# Altium PCB armslave.PcbDoc
Units mil, origin at the board's own origin, x right, y up, seen from the top; angles counter-clockwise.
Board outline 5065 x 3740.16 mil, 2 copper layers (Top Layer, Bottom Layer); 74 components, 82 nets, 324 pads, 29 vias.
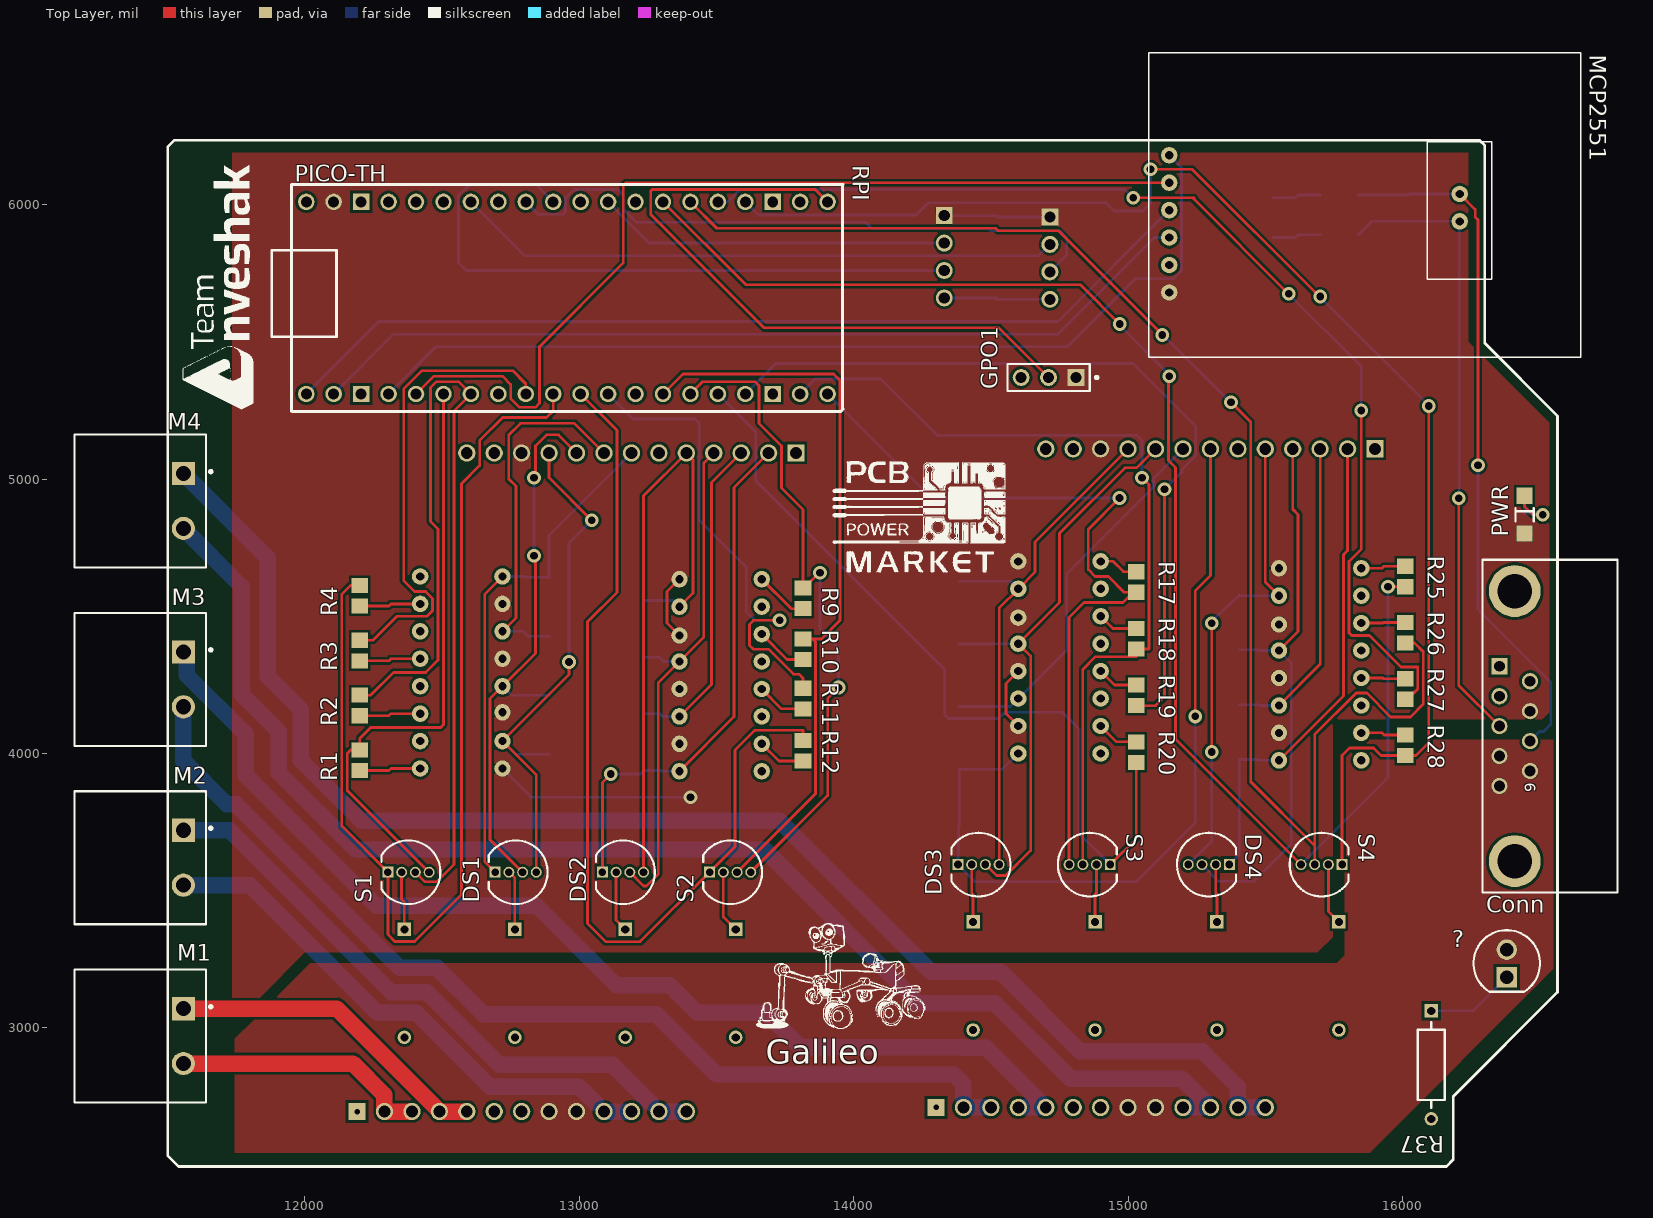
[diagram p0: Top Layer view]
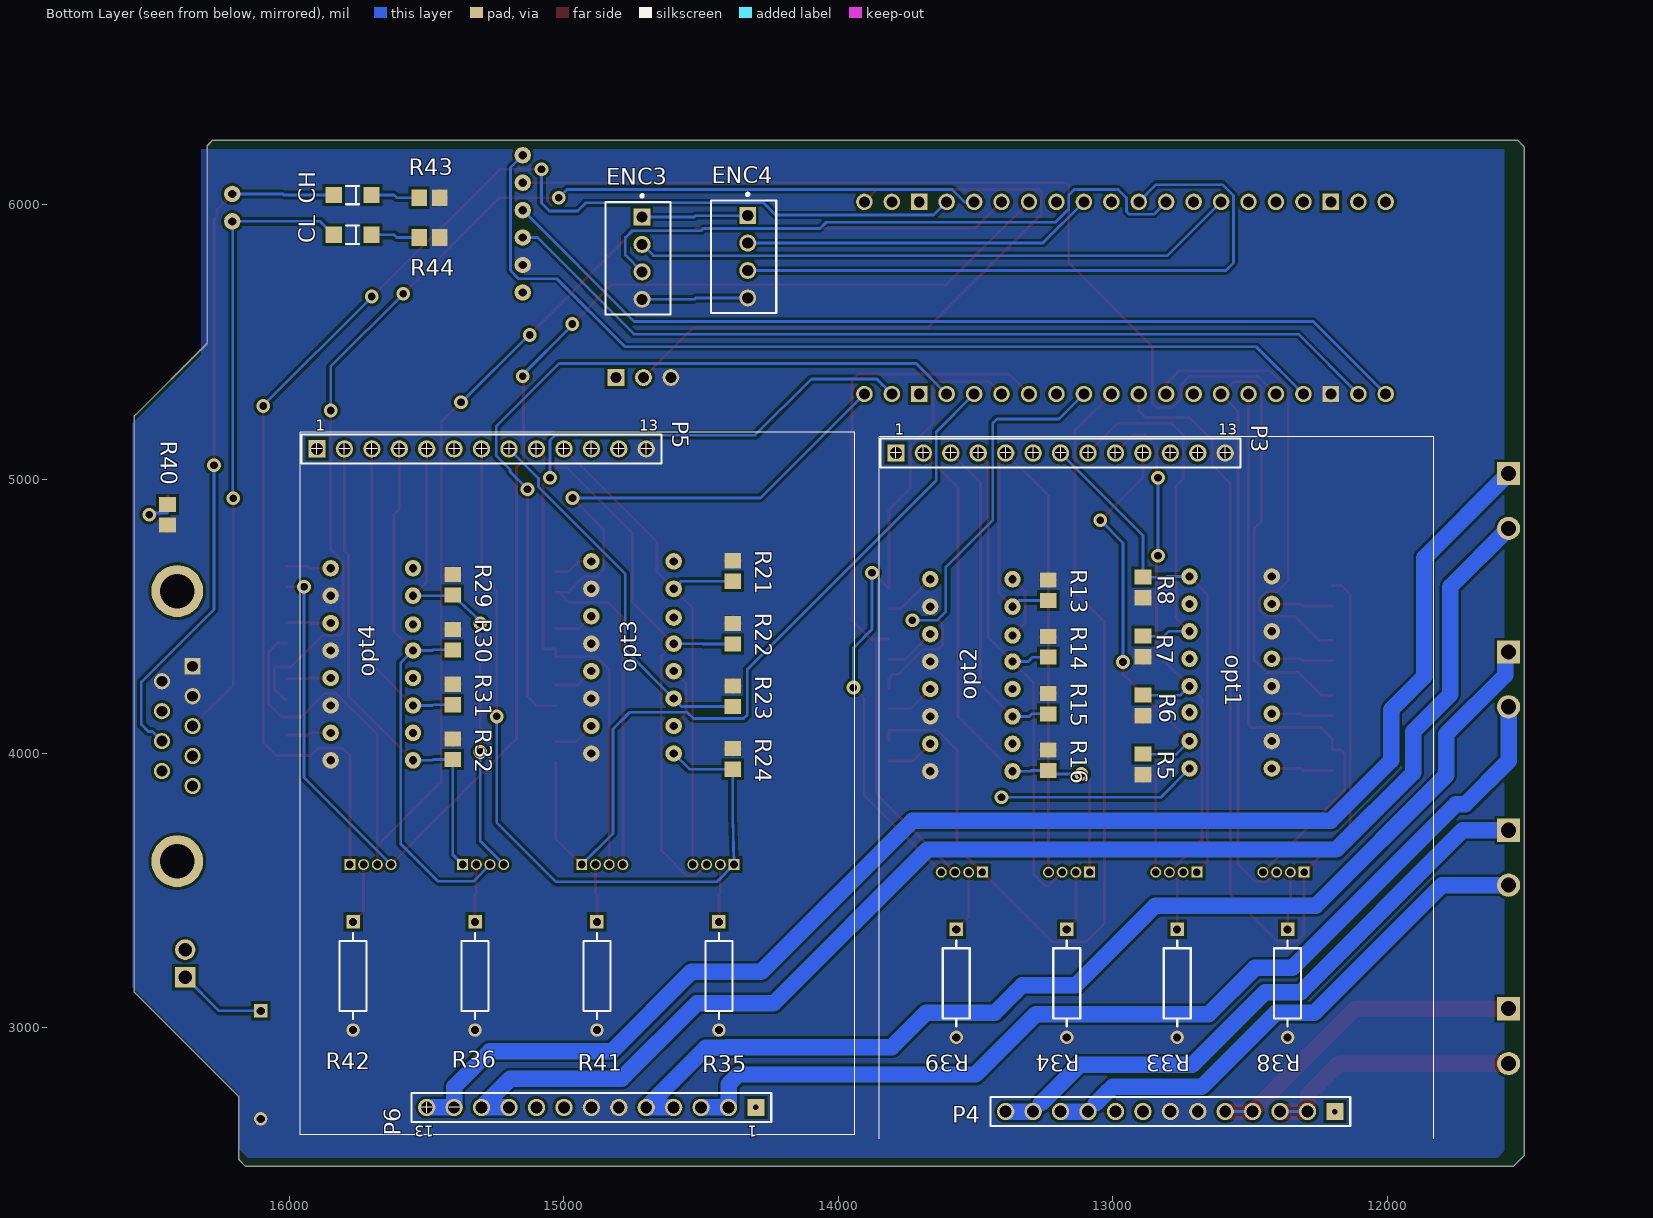
[diagram p1: Bottom Layer view, seen from below]

## Layer stack, top to bottom
Top Solder: solder mask 0.4, Solder Resist, Dk 3.5
Top Layer: signal copper 1.4
Dielectric 1: dielectric 12.6, FR-4, Dk 4.8
Bottom Layer: signal copper 1.4
Bottom Solder: solder mask 0.4, Solder Resist, Dk 3.5

## Board outline
11540,2495 11500,2535 11500,6210 11525.16,6235.16 16279.84,6235.16 16300,6215 16300,5495 16565,5230 16565,3130 16185,2750 16185,2520 16160,2495

## Design rules (kind name [scope] priority, off if disabled: settings)
Clearance [All] p1: gap=10 ignorepadtopadclearanceinfootprint=FALSE except(0: Arc-Hole Track-Hole SMDPad-Hole THPad-Hole Via-Hole Fill-Hole Poly-Hole Region-Hole Text-Hole)
PolygonConnect [All] p1: connectstyle=Relief reliefconductorwidth=10 reliefentries=4 polygonreliefangle="90 Angle" airgapwidth=0
RoutingVias [All] p1: holewidth=28 width=50 viastyle="Through Hole" minholewidth=28 minwidth=50 maxholewidth=28 maxwidth=50
SMDNeckDown [All] p1: percent=50.000
SolderMaskExpansion [All] p1: expansion=4 istentingtop=FALSE
Width [All] p1: maxlimit=60 minlimit=10 preferedwidth=20
30 further rules are at their usual default settings.

## Components (designator, comment, footprint, x,y, rotation, side; value= is the part's Value field where it differs from the comment)
? "SSL-LX5093YD" FP-SSL-LX5093YD-MFG 16380,3235 r90 top
CH "HSMG-C150" FP-HSMG-C150-MFG 15770,6035 r0 bottom
CL "HSMG-C150" FP-HSMG-C150-MFG 15770,5890 r0 bottom
Conn "618009231121" 618009231121 16537.05,4099.53 r90 top
DS1 "WP154A4SUREQBFZGC" KING-WP154A4SUREQBFZGC_V 12768.33,3567.19 r90 top
DS2 "WP154A4SUREQBFZGC" KING-WP154A4SUREQBFZGC_V 13159.17,3567.19 r90 top
DS3 "WP154A4SUREQBFZGC" KING-WP154A4SUREQBFZGC_V 14455,3595 r90 top
DS4 "WP154A4SUREQBFZGC" KING-WP154A4SUREQBFZGC_V 15294.24,3595 r270 top
ENC3 "47053-3000" FP-47053-3000-MFG 14730,5805 r90 bottom
ENC4 "47053-3000" FP-47053-3000-MFG 14345,5810 r90 bottom
GPO1 "22-28-4033" MOLX-22-28-4033_V 14710,5370 r180 top
M1 "1757242" FP-1757242-MFG 11400,2970 r270 top
M2 "1757242" FP-1757242-MFG 11400,3620 r270 top
M3 "1757242" FP-1757242-MFG 11400,4270 r270 top
M4 "1757242" FP-1757242-MFG 11400,4920 r270 top
MCP2551 "Component_1" mcp2551 15074.5,5443.8 r0 top
opt1 "Component_1" PCBComponent_1 12420,4645 r0 bottom
opt2 "Component_1" PCBComponent_1 13665,3935 r180 bottom
opt3 "Component_1" PCBComponent_1 14900,4000 r180 bottom
opt4 "Component_1" PCBComponent_1 15850,3975 r180 bottom
P3 "61301311121" 61301311121#1 13190,5095 r180 bottom
P4 "61301311121" 61301311121#2 12790,2695 r0 bottom
P5 "61301311121" 61301311121#1 15300,5110 r180 bottom
P6 "61301311121" 61301311121#2 14900,2710 r0 bottom
PWR "HSMG-C150" FP-HSMG-C150-MFG 16445,4870 r270 top
R1 "ERA6AEB123V" RESC2013X60X40ML20T25 12200,3975 r90 top
R2 "ERA6AEB123V" RESC2013X60X40ML20T25 12200,4175 r90 top
R3 "ERA6AEB123V" RESC2013X60X40ML20T25 12200,4375 r90 top
R4 "ERA6AEB123V" RESC2013X60X40ML20T25 12200,4575 r90 top
R5 "ERA6AEB123V" RESC2013X60X40ML20T25 12890,3960 r90 bottom
R6 "ERA6AEB123V" RESC2013X60X40ML20T25 12890,4175 r90 bottom
R7 "ERA6AEB123V" RESC2013X60X40ML20T25 12890,4390 r90 bottom
R8 "ERA6AEB123V" RESC2013X60X40ML20T25 12890,4605 r90 bottom
R9 "ERA6AEB123V" RESC2013X60X40ML20T25 13815,4565 r90 top
R10 "ERA6AEB123V" RESC2013X60X40ML20T25 13815,4380 r90 top
R11 "ERA6AEB123V" RESC2013X60X40ML20T25 13815,4200 r90 top
R12 "ERA6AEB123V" RESC2013X60X40ML20T25 13815,4010 r90 top
R13 "ERA6AEB123V" RESC2013X60X40ML20T25 13235,4595 r270 bottom
R14 "ERA6AEB123V" RESC2013X60X40ML20T25 13235,4388.33 r270 bottom
R15 "ERA6AEB123V" RESC2013X60X40ML20T25 13235,4181.67 r270 bottom
R16 "ERA6AEB123V" RESC2013X60X40ML20T25 13235,3975 r270 bottom
R17 "ERA6AEB123V" RESC2013X60X40ML20T25 15030,4625 r270 top
R18 "ERA6AEB123V" RESC2013X60X40ML20T25 15030,4418.33 r270 top
R19 "ERA6AEB123V" RESC2013X60X40ML20T25 15030,4211.67 r270 top
R20 "ERA6AEB123V" RESC2013X60X40ML20T25 15030,4005 r270 top
R21 "ERA6AEB123V" RESC2013X60X40ML20T25 14385,4665 r270 bottom
R22 "ERA6AEB123V" RESC2013X60X40ML20T25 14385,4436.67 r270 bottom
R23 "ERA6AEB123V" RESC2013X60X40ML20T25 14385,4208.33 r270 bottom
R24 "ERA6AEB123V" RESC2013X60X40ML20T25 14385,3980 r270 bottom
R25 "ERA6AEB123V" RESC2013X60X40ML20T25 16010,4645 r270 top
R26 "ERA6AEB123V" RESC2013X60X40ML20T25 16010,4440 r270 top
R27 "ERA6AEB123V" RESC2013X60X40ML20T25 16010,4235 r270 top
R28 "ERA6AEB123V" RESC2013X60X40ML20T25 16010,4030 r270 top
R29 "ERA6AEB123V" RESC2013X60X40ML20T25 15405,4615 r270 bottom
R30 "ERA6AEB123V" RESC2013X60X40ML20T25 15405,4415 r270 bottom
R31 "ERA6AEB123V" RESC2013X60X40ML20T25 15405,4215 r270 bottom
R32 "ERA6AEB123V" RESC2013X60X40ML20T25 15405,4015 r270 bottom
R33 "MRS25000C1001FCT00" FP-MRS25-MFG 12765,3162.19 r270 bottom
R34 "MRS25000C1001FCT00" FP-MRS25-MFG 13167.5,3162.19 r270 bottom
R35 "MRS25000C1001FCT00" FP-MRS25-MFG 14435,3188.95 r270 bottom
R36 "MRS25000C1001FCT00" FP-MRS25-MFG 15323.89,3188.95 r270 bottom
R37 "MRS25000C1001FCT00" FP-MRS25-MFG 16105,2865 r270 top
R38 "MRS25000C1001FCT00" FP-MRS25-MFG 12362.5,3162.19 r270 bottom
R39 "MRS25000C1001FCT00" FP-MRS25-MFG 13570,3162.19 r270 bottom
R40 "ERA6AEB123V" RESC2013X60X40ML20T25 16445,4870 r90 bottom
R41 "MRS25000C1001FCT00" FP-MRS25-MFG 14879.44,3188.95 r270 bottom
R42 "MRS25000C1001FCT00" FP-MRS25-MFG 15768.33,3188.95 r270 bottom
R43 "ERA6AEB123V" RESC2013X60X40ML20T25 15490,6025 r180 bottom
R44 "ERA6AEB123V" RESC2013X60X40ML20T25 15490,5880 r180 bottom
RPI "RPI-Pico-TH" RPI-Pico-TH 12005,5310 r0 top
S1 "WP154A4SUREQBFZGC" KING-WP154A4SUREQBFZGC_V 12377.5,3567.19 r90 top
S2 "WP154A4SUREQBFZGC" KING-WP154A4SUREQBFZGC_V 13550,3567.19 r90 top
S3 "WP154A4SUREQBFZGC" KING-WP154A4SUREQBFZGC_V 14860,3595 r270 top
S4 "WP154A4SUREQBFZGC" KING-WP154A4SUREQBFZGC_V 15705,3595 r270 top

## Footprints (in the part's own frame and the unit in brackets; to place one, negate y for a bottom-side part, rotate by r counter-clockwise, add the part's x,y. Pads: shape width x height; smd on the part's side, far side on the other; paste and mask are expansions set on the pad)
61301311121#1 [mm] "Pin Header, pitch 2.54 mm, THT, Vertical, single row, 13p"
  rect 1.6x1.6 hole 1.1: 1(-15.24,0)
  round 1.6 hole 1.1: 2(-12.7,0) 3(-10.16,0) 4(-7.62,0) 5(-5.08,0) 6(-2.54,0) 7(0,0) 8(2.54,0) 9(5.08,0) 10(7.62,0) 11(10.16,0) 12(12.7,0) 13(15.24,0)
  silkscreen extent -16.66,-1.34 16.66,1.34, body extent -16.51,-1.27 16.51,1.27, height 8.57
61301311121#2 [mm] "Pin Header, pitch 2.54 mm, THT, Vertical, single row, 13p"
  rect 1.6x1.6 hole 0.508: 1(-15.24,0)
  round 1.6 hole 1.1: 2(-12.7,0) 3(-10.16,0) 4(-7.62,0) 5(-5.08,0) 6(-2.54,0) 7(0,0) 8(2.54,0) 9(5.08,0) 10(7.62,0) 11(10.16,0) 12(12.7,0) 13(15.24,0)
  silkscreen extent -16.66,-1.34 16.66,1.34, body extent -16.51,-1.27 16.51,1.27, height 8.57
618009231121 [mm] "9 pins, right angled, 8.08mm, with hex screw"
  rect 1.5x1.5 hole 1: 1(5.54,4.67)
  round 1.5 hole 1: 2(2.77,4.67) 3(0,4.67) 4(-2.77,4.67) 5(-5.54,4.67) 6(4.155,1.83) 7(1.385,1.83) 8(-1.385,1.83) 9(-4.155,1.83)
  round 4.8 hole 3.2: M1(-12.5,3.25) M2(12.5,3.25)
  silkscreen extent -15.4,-6.25 15.4,6.25, body extent -15.4,-12.25 15.4,6.25, height 12.55
FP-47053-3000-MFG [mm]
  rect 1.57x1.57 hole 1.02 paste-1000 mask+0: 1(3.81,-0.38)
  round 1.57 hole 1.02 paste-1000 mask+0: 2(1.27,-0.38) 3(-1.27,-0.38) 4(-3.81,-0.38)
  round 0 all layers, no hole paste-1000 mask+0: ""(-1.27,-2.54)
  silkscreen extent -5.2,-3.02 5.9,3.02, body extent -5.1,-2.92 5.1,2.92, height 10.29
FP-1757242-MFG [mm]
  rect 2.15x2.15 hole 1.4 paste-1000 mask+0: 1(-2.54,4)
  round 2.15 hole 1.4 paste-1000 mask+0: 2(2.54,4)
  silkscreen extent -6.15,-6.08 6.15,6.65, body extent -6.25,-6.17 6.25,6.17, height 0.25
FP-HSMG-C150-MFG [mm]
  rect 1.5x1.5 smd paste+0 mask+0: 1(-1.75,0) 2(1.75,0)
  silkscreen extent -0.6,-0.85 0.6,0.85, body extent -1.6,-0.8 1.6,0.8, height 1.2
FP-MRS25-MFG [mm]
  rect 1.25x1.25 hole 0.75 paste-1000 mask+0: 1(-5,0)
  round 1.25 hole 0.75 paste-1000 mask+0: 2(5,0)
  silkscreen extent -3.97,-1.25 3.98,1.25, body extent -5.3,-1.25 5.3,1.25, height 2.5
FP-SSL-LX5093YD-MFG [mm]
  rect 1.9x1.9 hole 1.25 paste-1000 mask+0: 1(-1.27,0)
  round 1.9 hole 1.25 paste-1000 mask+0: 2(1.27,0)
  silkscreen extent -2.62,-3.07 3.07,3.07, body extent -3.17,-3.17 3.17,3.17, height 0.25
KING-WP154A4SUREQBFZGC_V [mil] "THD, 4-Leads, Dia 5.9mm, Pitch 1.27mm"
  rect 40x40 hole 28 paste+0: 1(0,75)
  round 40 hole 28 paste+0: 2(0,25) 3(0,-25) 4(0,-75)
  silkscreen extent -116,-116 116,98
mcp2551 [mil]
  round 60 hole 30: 28(75.5,236.2) 29(75.5,336.2) 30(75.5,436.2) 31(75.5,536.2) 32(75.5,636.2) 33(75.5,736.2) 34(1134.16,495.27) 35(1134.16,595.27)
  silkscreen extent 0,0 1575,1110
MOLX-22-28-4033_V [mm] "THD, 3-Leads, Body 7.62x2.49mm, Pitch 2.54mm"
  rect 1.55x1.55 hole 1.02: 1(-2.54,0)
  round 1.55 hole 1.02: 2(0,0) 3(2.54,0)
  silkscreen extent -4.59,-1.25 3.81,1.25, body extent -3.81,-1.24 3.81,1.24, height 8.38
PCBComponent_1 [mil]
  round 60 hole 30: 12(0,0) 13(0,100) 14(0,200) 15(0,300) 16(0,400) 17(0,500) 18(0,600) 19(0,700) 20(300,0) 21(300,100) 22(300,200) 23(300,300) 24(300,400) 25(300,495) 26(300,600) 27(300,700)
RESC2013X60X40ML20T25 [mm] "Chip Resistor, 2-Leads, Body 2.00x1.25mm, IPC Low Density"
  rect 1.4x1.55 smd: 1(-0.95,0) 2(0.95,0)
  body extent -1.1,-0.72 1.1,0.72, height 0.6
RPI-Pico-TH [mil] "Through Hole RP2040 MCU"
  round 60 hole 40: 0(0,0) 1(100,0) 3(300,0) 4(400,0) 5(500,0) 6(600,0) 7(700,0) 8(800,0) 9(900,0) 10(1000,0) 11(1100,0) 12(1200,0) 13(1300,0) 14(1400,0) 15(1500,0) 16(1600,0) 18(1800,0) 19(1900,0) 20(1900,700) 21(1800,700) 23(1600,700) 24(1500,700) 25(1400,700) 26(1300,700) 27(1200,700) 28(1100,700) 29(1000,700) 30(900,700) 31(800,700) 32(700,700) 33(600,700) 34(500,700) 35(400,700) 36(300,700) 38(100,700) 39(0,700)
  rect 60x60 hole 40: 2(200,0) 17(1700,0) 22(1700,700) 37(200,700)
  silkscreen extent -126,-63 1957,764, body extent -111,-63 1953,764, height 146

## Part data
?: library part CMP-57192-000007-1, "LED YELLOW DIFFUSED T-1 3/4 T/H", Case/Package=Radial, Color=Yellow, Forward Current=20mA, Forward Voltage=2.1V, Max Operating Temperature=85°C, Min Operating Temperature=-40°C, Package Quantity=1000, Diameter=5mm, Dominant Wavelength=568nm, Height=8.6mm, Illumination Color=Yellow, Lead Free="Lead Free", Length=0.5inch, Lens Color=Yellow, Lens Style=Dome, Lens Transparency=Diffused, Luminous Intensity=30mcd, Mount="Through Hole", Number of LEDs=1, Number of Pins=2, Packaging=Bulk, REACH SVHC="No SVHC", RoHS Compliant=Yes, Series=-, Test Current=20mA, Viewing Angle=60°, Wavelength=585nm, Weight=0.01lb, Width=1.5inch
CH CL PWR: library part CMP-2000-05061-2, "LED GREEN DIFFUSED 1206 SMD", Colour=Green, Forward Current=20mA, Forward Voltage=2.2V, Manufacturer=Broadcom, Max Junction Temp=+95°C, Power Dissipation=65mW, Reverse Voltage=5V, Temperature="-40°C to +85°C", Temperature Range High=+85°C, Temperature Range Low=-40°C, Automotive=No, Category=Diode, ComponentLink2Description=Datasheet, ComponentLink2URL=https://docs.broadcom.com/docs/AV02-0551EN, Device Class L1=Optoelectronics, Device Class L2=LEDs, Device Class L3=unset, Digikey Description="LED GREEN DIFFUSED 1206 SMD", Height=1.2mm, Ipc Land Pattern Name=DIOCP320160X55, Lead Free=Yes, Led Orientation="Top View", Luminous Intensity=15mcd, Manufacturer Part Number=HSMG-C150, Mouser Description="LED Uni-Color Green 570nm 2-Pin Chip LED T/R", Octopart=https://octopart.com/hsmg-c150-broadcom-71131304, Package=HSMG-C150, Peak Emmision Wavelength=570nm, RoHS=TRUE, Viewing Angle=170°, Wavelength=572nm
Conn: library part CMP-1502-00200-1, "Female PCB Connector with Hex Screw WR-DSUB, 8.08 mm, Angled, 9 pins", Contact Resistance=30mOhm, Manufacturer="Wurth Elektronik", Operating Temperature=-40to85degC, Rated Current=3A, Working Voltage=125VAC, Datasheet URL=https://katalog.we-online.de/em/datasheet/6180xx231121.pdf, Gender=Female, Manufacturer URL=http://www.we-online.de, Mounting Technology=THT, Orientation=Angled, Package Reference=618009231121, Packaging=Tray, Part Number=618009231121, Pin Number=9, Publisher=WurthElektronik
DS1 DS2 DS3 DS4 S1 S2 S3 S4: library part CMP-2000-07415-1, "Full Color LED Lamp, Dominant Wavelength RGB 630 / 525 / 465 nm, -40 to 85 degC, 4-Pin THD, RoHS", Color=Red,Green,Blue(RGB), Current - Test=20mA, Manufacturer=Kingbright, Millicandela Rating=1300mcdRed,1700mcdGreen,900mcdBlue, Package / Case=Radial-4Leads, Package Description="4-Pin Through Hole LED, Dia 5.9 mm, Pitch 1.27 mm", Standard Package=500, Voltage - Forward (Vf) (Typ)=1.9VRed,3.3VGreen,3.3VBlue, 3D Model="WP154A4SUREQBFZGW.sldprt /  / WP154A4SUREQBFZGW.pro /  / WP154A4SUREQBFZGW.igs /  / WP154A4SUREQBFZGW.stp", Category=Optoelectronics, Datasheet URL=https://www.kingbrightusa.com/images/catalog/spec/WP154A4SUREQBFZGC.pdf, Datasheet Version="Rev. 5A, 08/2014", Family=LEDIndication-Discrete, Height=8.60mm, Lens Style/Size=RoundwithDomedTop,5mm,T-13/4, Lens Type=Clear, Manufacturer URL=http://www.kingbright.com/, Mounting Technology=ThroughHole, Mounting Type=ThroughHole, Online Catalog=5mm,T-13/4(RGB)RoundwithDomedTopLEDLamp, Other Names="754-1615 / WP154A4SUREQBFZGC-ND", Package Reference=WP154A4SUREQBFZGC, Packaging=Bulk, Viewing Angle=50°, Wavelength - Dominant=630nm,525nm,465nm, Wavelength - Peak=645nm,515nm,460nm
ENC3 ENC4: library part CMP-04776-000447-1, "CONN HEADER VERT 4POS 2.54MM", Current Rating=4A, Max Operating Temperature=75°C, Min Operating Temperature=0°C, Package Quantity=12000, Voltage Rating=250V, Contact Material="Copper Alloy", Contact Plating=Tin, Gender=Male, Glow Wire Compliant=Non-compliant, Halogen Free="Low Halogen", Mount="Through Hole", Number of Circuits=4, Number Of Contacts=4, Number of Positions=4, Number Of Rows=1, Orientation=Straight, Packaging=Bulk, Pitch=2.54mm, REACH SVHC="No SVHC", RoHS Compliant=Yes, Series=47053, Termination="Through Hole"
GPO1: library part CMP-1676-00001-5, "Male Header, Pitch 2.54 mm, 1 x 3 Position, Height 8.38 mm, Tail Length 3.18 mm, RoHS, Bulk", Colour=Black, Current Rating="4 A", Manufacturer=Molex, Max Operating Temperature="75 degC", Min Operating Temperature="0 degC", Package Quantity=1, Voltage Rating="250 V", ComponentLink1Description="Manufacturer URL", ComponentLink1URL=http://www.molex.com/, ComponentLink2Description=Datasheet, ComponentLink2URL=http://www.molex.com/pdm_docs/sd/022284033_sd.pdf, Contact Finish=Gold, Contact Material=Brass, Contact Plating=Gold, DatasheetVersion="Rev. G, 01/2012", Height="8.38 mm", Lead Pitch="0.1 inch", Length="7.62 mm", Mount="Through Hole", Mounting Technology="Through Hole", PackageDescription="Male Header, Pitch 2.54 mm, 1 x 3 Position, Height 8.38 mm, Tail Length 3.18 mm", PackageReference=22-28-4033, Packaging=Bulk, Pins=3, REACH SVHC=Unknown, RoHSCompliant=true, Rows=1
M1 M2 M3 M4: library part CMP-09399-000010-1, "TERM BLOCK HDR 2POS 90DEG 5.08MM", Color=Grey, Current=15A, Current Rating=12A, Flammability Rating="UL94 V-0", Housing Color=Green, Package Quantity=50, Voltage=300V, Voltage Rating=250V, Voltage Rating (DC)=320V, Approvals=UL, Connector Type=Plug, Contact Material=Tin, Contact Plating=Tin, Depth=12mm, Gender=Male, Height=12.08mm, Housing Material=PBT, Lead Free="Lead Free", Length=12.16mm, Max Current Rating=12A, Mount="Through Hole", Number Of Contacts=2, Number of Levels=1, Number of Poles=2, Number of Positions=2, Number of Positions Per Level=2, Number Of Rows=1, Orientation="Right Angle", Packaging=Bulk, Pitch=5.08mm, REACH SVHC="No SVHC", RoHS Compliant=Yes, Series=MSTBA, Termination=Solder, Weight=5.396916oz, Width=12.1mm
P3 P4 P5 P6: library part CMP-1502-01089-1, "THT Vertical Pin Header WR-PHD, Pitch 2.54 mm, Single Row, 13 pins", Contact Resistance=20mOhm, Manufacturer="Wurth Elektronik", Operating Temperature=-40to105degC, Rated Current=3A, Withstanding Voltage=500VAC, Working Voltage=250VAC, Datasheet URL=https://katalog.we-online.de/em/datasheet/6130xx11121.pdf, Gender=Male, Manufacturer URL=http://www.we-online.de, Mounting Technology=THT, Orientation=Vertical, Package Reference=61301311121, Packaging=Bag, Part Number=61301311121, Pin Number=13, Pitch=2.54mm, Publisher=WurthElektronik, Row Number=Single
R1 R2 R3 R4 R5 R6 R7 R8 R9 R10 R11 R12 R13 R14 R15 R16 R17 R18 R19 R20 R21 R22 R23 R24 R25 R26 R27 R28 R29 R30 R31 R32 R40 R43 R44: library part CMP-2001-00590-1, Manufacturer=Panasonic, Part Number=ERA6AEB123V
R33 R34 R35 R36 R37 R38 R39 R41 R42: library part CMP-02408-000051-1, "RES 1K OHM 0.6W 1% AXIAL", Case/Package=Axial, Max Operating Temperature=155°C, Max Power Dissipation=600mW, Min Operating Temperature=-55°C, Package Quantity=5000, Resistance=1kR, Resistance Tolerance=1%, Resistor Type="Metal Film", Temperature Coefficient=50ppm/°C, Voltage Rating=350V, Construction=Cylindrical, Contact Plating=Tin, Diameter=2.5mm, Lead Diameter=0.6mm, Lead Free="Lead Free", Length=6.5mm, Military Standard=Not, Mount="Through Hole", Number of Pins=2, Number of Terminations=2, Packaging="Tape and Reel", Power Rating=600mW, Radiation Hardening=No, RoHS Compliant=Yes, Series=MRS25, Technology="THIN FILM", Termination=Axial, Tolerance=1%, Voltage Rating (DC)=350V, Weight=0.00776oz, Width=2.5mm
RPI: library part RPI_PICO, Manufacturer=Raspberry-Pi

## Via types
v1: diameter 50, hole 28, Top Layer to Bottom Layer, 29 vias

## Nets (pads, with @x,y where several pads share a name; then routed paths per layer and width w, separated by ;. In a path a pad name is that pad's centre, name@x,y a point inside that pad or via, vN(x,y) a via of type N, cw(c..) or ccw(c..) an arc to the next point about the centre after c; other vN are vias at no path point)
12V: ?.2 Conn.4 Conn.5 Conn.9 P4.8 P4.9 P6.8 P6.9
CANH: CH.2 Conn.8 MCP2551.35 | length 2549.7
  Top Layer w10: MCP2551.35 16265,5982.73 16265,5955 16275,5945 v1(16275,5050)
  Bottom Layer w10: CH.2 16021,6035 16025.07,6039.07 MCP2551.35 ; v1@16270,5055 v1(16275,5050) 16275,4525 16540,4260 16540,4105 16514.69,4079.69 16499.69,4079.69 Conn.8
CANL: CL.2 Conn.3 MCP2551.34 | length 2292.5
  Top Layer w10: v1(16205,4930) 16205,4247.72 Conn.3
  Bottom Layer w10: CL.2 15887.97,5939.07 MCP2551.34 16206.83,5937.24 16206.83,4931.83 v1(16205,4930)
DEN1: DS1.4 opt1.26 P3.10 R5.2 | length 1967.4
  Top Layer w10: DS1.4 12843.33,3921.67 opt1.26 12962.39,4287.39 v1(12962.39,4333.51) ; P3.10 12890,5005 v1(13045,4850)
  Bottom Layer w10: opt1.26 12767.6,3997.4 R5.2 ; v1(12962.39,4333.51) 12962.39,4767.39 v1(13045,4850)
DEN2: DS2.4 opt2.26 P3.5 R13.2 | length 2322
  Top Layer w10: DS2.4 13234.17,4939.17 P3.5 13414,5071 13414,4584 opt2.26
  Bottom Layer w10: R13.2 13342.4,4557.6 opt2.26
DEN3: DS3.4 opt3.26 P5.10 R21.2 | length 1936.1
  Top Layer w10: DS3.4 14530,4530 opt3.26 14661,4661 14661,4771 P5.10
  Bottom Layer w10: R21.2 14572.4,4627.6 opt3.26
DEN4: DS4.4 opt4.26 P5.5 R29.2 | length 1754
  Top Layer w10: v1(15305,4005) v1(15305,4475) ; P5.5 15500,4625 opt4.26
  Bottom Layer w10: DS4.4 15305,3680.76 v1(15305,4005) ; v1@15305,4484.09 R29.2@15405,4575 ; R29.2 R29.2@15405,4575 ; opt4.26 R29.2@15405,4575
DINA1: DS1.3 opt1.24 P3.9 R6.2 | length 2052.7
  Top Layer w10: DS1.3 12675,3685.53 12675,4200 opt1.24 12840,4365 12840,4715 v1(12835,4720) ; v1(12835,5005) 12840,5010 12840,5121 12880,5161 12924,5161 P3.9
  Bottom Layer w10: opt1.24 12752.6,4212.4 R6.2 ; v1(12835,4720) v1(12835,5005)
DINA2: DS2.3 opt2.24 P3.4 R14.2 | length 1897.7
  Top Layer w10: DS2.3 13234.36,3517 13245,3517 13288,3560 13288,4258 opt2.24 13454,4424 13454,5059 P3.4
  Bottom Layer w10: R14.2 13292,4350.93 13307.93,4335 opt2.24
DINA3: DS3.3 opt3.24 P5.9 R22.2 | length 2149.1
  Top Layer w10: DS3.3 14520,3555 14554,3555 14645,3646 14645,4355 opt3.24 14750,4550 14750,4802.34 14988.42,5040.76 15030.76,5040.76 P5.9
  Bottom Layer w10: R22.2 14492,4399.27 14492.73,4400 opt3.24
DINA4: DS4.3 opt4.24 P5.4 R30.2 | length 2047.9
  Top Layer w10: opt4.24 15619,4444 15619,4871 15600,4890 P5.4
  Bottom Layer w10: DS4.3 15330.24,3534 15458,3534 15595,3671 15595,4330 opt4.24 15478.6,4375 15476,4377.6 R30.2
DINB1: opt1.22 P3.8 R7.2 | length 1332.9
  Top Layer w10: opt1.22 12769,4494 12769,4974 12743,5000 12743,5160 12786,5203 12982,5203 P3.8
  Bottom Layer w10: opt1.22 12796,4445 12813.6,4427.4 R7.2
DINB2: opt2.22 P3.3 R15.2 | length 1187
  Top Layer w10: opt2.22 13482,4252 13482,4987 P3.3
  Bottom Layer w10: R15.2 13295,4144.27 13304.27,4135 opt2.22
DINB3: opt3.22 P5.8 R23.2 | length 1385.6
  Bottom Layer w10: R23.2 14570.93,4170.93 opt3.22 14776,4376 14776,4654.51 15092.52,4971.02 15092.52,5002.52 P5.8
DINB4: opt4.22 P5.3 R31.2 | length 1143.2
  Top Layer w10: opt4.22 15700,4325 P5.3
  Bottom Layer w10: R31.2 15476,4177.6 15478.6,4175 opt4.22
DPWM1: DS1.1 opt1.20 P3.7 R8.2 | length 1868.5
  Top Layer w10: DS1.1 12655,3605.53 12655,4580 opt1.20
  Bottom Layer w10: opt1.20 12803,4645 12805.6,4642.4 R8.2 12890,4795 P3.7
DPWM2: DS2.1 opt2.20 P3.2 R16.2 | length 1921.5
  Top Layer w10: DS2.1 13084.17,3894.17 v1(13115,3925) ; opt2.20 13564,4134 13564,4969 P3.2
  Bottom Layer w10: v1(13115,3925) 13222.4,3925 R16.2 13298,3937.6 13300.6,3935 opt2.20
DPWM3: DS3.1 opt3.20 P5.7 R24.2 | length 2951.8
  Top Layer w10: v1(15245,4135) 15245,4593.24 15300,4648.24 P5.7
  Bottom Layer w10: opt3.20 14542.6,3942.6 R24.2 14385,3773 DS3.1 14443,3532 15029,3532 15245,3748 v1(15245,4135)
DPWM4: DS4.1 opt4.20 P5.2 R32.2 | length 1782
  Top Layer w10: opt4.20 15785,4210 15785,4724 15800,4739 P5.2
  Bottom Layer w10: DS4.1 15405,3630.76 R32.2 15476,3977.6 15478.6,3975 opt4.20
EN1: R1.2 RPI.5 S1.4 | length 2180.2
  Top Layer w10: S1.4 12154.49,3865.21 12154.49,4000 12166.89,4012.4 R1.2 12200,4055 12240,4095 12495,4095 12505,4105 RPI.5
EN2: R9.2 RPI.14 S2.4 | length 2425
  Top Layer w10: RPI.14 13450,5355 13640,5355 13655,5340 13655,5203 13737,5121 13737,4967 13815,4889 R9.2 13817.95,4602.4 13875,4659.45 v1@13875,4660 ; S2.4 13905,3847.19 13905,4200 v1(13945,4240) v1@13945,4250
  Bottom Layer w10: v1(13877.4,4658.75) 13877.4,4452.6 13945,4385 v1(13945,4240)
EN3: R17.2 RPI.19 S3.4 | length 2910.3
  Top Layer w10: S3.4 14785,4495 14840,4550 14981,4550 R17.2@15018.6,4587.6 ; v1(14969,4931) 14855,4817 14855,4670 14880,4645 14928,4645 14985.4,4587.6 R17.2@15018.6,4587.6 ; R17.2 R17.2@15018.6,4587.6
  Bottom Layer w10: RPI.19 14284,4931 v1(14969,4931)
EN4: R25.2 RPI.26 S4.4 | length 5312.9
  Top Layer w10: RPI.26 13607,5708 14826,5708 14969,5565 v1(14970,5565) ; v1@15147,5387 15147,5067.69 15173,5041.69 15173,4052 S4.4 ; v1(15947,4607.6) R25.2
  Bottom Layer w10: v1(14970,5565) 14970,5560 15150,5380 v1(15150,5375) ; S4.4 15947,3912 v1(15947,4607.6)
enc1a: ENC4.2 RPI.28 | length 1287.2
  Bottom Layer w10: RPI.28 13255,5860 ENC4.2
enc1b: ENC4.3 RPI.30 | length 2414.3
  Bottom Layer w10: RPI.30 12842,6073 12600,6073 12560,6033 12560,5788 12588,5760 ENC4.3
enc2a: ENC3.2 RPI.33 | length 2208.2
  Bottom Layer w10: RPI.33 12801,5814 14674.04,5814 ENC3.2
enc2b: ENC3.3 RPI.31 | length 2308.2
  Bottom Layer w10: RPI.31 12850,5965 12940,5965 12950,5975 12950,6025 12980,6055 13140,6055 13160,6035 13160,5985 13209,5936 14044,5936 14067,5913 14492,5913 14500,5905 14751,5905 14776,5880 14776,5815.96 ENC3.3
GND: Conn.1 Conn.2 Conn.6 ENC3.4 ENC4.4 GPO1.3 MCP2551.29 opt1.12 opt1.14 opt1.16 opt1.18 opt2.12 opt2.14 opt2.16 opt2.18 opt3.12 opt3.14 opt3.16 opt3.18 opt4.12 opt4.14 opt4.16 opt4.18 P3.13 P4.6 P4.7 P5.13 P6.6 P6.7 R5.1 R6.1 R7.1 R8.1 R13.1 R14.1 R15.1 R16.1 R21.1 R22.1 R23.1 R24.1 R29.1 R30.1 R31.1 R32.1 R33.2 R34.2 R35.2 R36.2 R37.2 R38.2 R39.2 R40.1 R41.2 R42.2 R43.2 R44.2 RPI.2 | length 387.1
  Bottom Layer w10: ENC4.4 14520,5660 14525,5655 ENC3.4
INA1: R2.2 RPI.6 S1.3 | length 3438.6
  Top Layer w10: R2.2 12240,4212.4 12322.6,4295 12440,4295 12485,4340 12485,4818 12458,4845 12458,5333 12480,5355 12560,5355 RPI.6 12543,5248 12543,3595 12480,3532 12437.69,3532 S1.3
INA2: R10.2 RPI.13 S2.3 | length 2695.8
  Top Layer w10: RPI.13 13378,5383 13927,5383 13950,5360 13950,4485.4 13882,4417.4 13850,4417.4 ; S2.3 13861,3853.19 13861,4406.4 13850,4417.4 ; R10.2 13850,4417.4
INA3: R18.2 RPI.18 S3.3 | length 3132
  Top Layer w10: S3.3 14835,4307 14880,4352 15030,4352 R18.2 15076,4380.93 15076,4980 v1(15051,5005)
  Bottom Layer w10: RPI.18 13860,5365 14098,5365 14303,5160 15031,5160 15051,5140 v1(15051,5005)
INA4: R26.2 RPI.25 S4.3 | length 5272.2
  Top Layer w10: RPI.25 13501,5914 14517,5914 14526,5905 14746,5905 15125,5526 v1(15125,5525) ; v1(15375,5280) 15447,5208 15447,3897 15680,3664 ; S4.3 15680,3664 ; R26.2 16043.4,4402.6 16075.51,4370.49 16075.51,4179.51 16029,4133 15957,4133 15870,4220 15831.36,4220 15680,4068.64 15680,3664
  Bottom Layer w10: v1(15125,5525) 15127.5,5525 15372.5,5280 v1(15375,5280)
INB1: R3.2 RPI.8 | length 1714.8
  Top Layer w10: R3.2 12248,4412.4 12335.6,4500 12445,4500 12465,4520 12465,4565 12440,4590 12400,4590 12360,4630 12360,5328.77 12426.23,5395 12757.42,5395 12805,5347.42 RPI.8
INB2: R11.2 RPI.11 | length 1742.5
  Top Layer w10: v1(13730,4485) 13635,4485 13620,4470 13620,4394 13634,4380 13690,4380 13781,4289 13800,4289 13815,4274 R11.2
  Bottom Layer w10: RPI.11 13196,5219 13422,5219 13437,5204 13437,4851 13608,4680 13608,4517 13640,4485 v1(13730,4485)
INB3: R19.2 RPI.16 | length 2931.5
  Top Layer w10: R19.2 15100,4174.27 15133,4207.27 v1(15133,4963)
  Bottom Layer w10: RPI.16 13716,5421 15018,5421 15247,5192 15247,5085.28 15196.53,5034.82 15196.53,5026.53 v1(15133,4963)
INB4: R27.2 RPI.24 | length 4065.3
  Top Layer w10: v1(15019,6025) 15240,6025 15240,6020 v1(15585,5675) ; v1(15850,5250) 15850,4745 15805,4700 15805,4440 15815,4430 15880,4430 15995.04,4314.96 16055.51,4314.96 16055.51,4235.51 16017.6,4197.6 R27.2
  Bottom Layer w10: RPI.24 13540,6010 13585,6055 14989,6055 v1(15019,6025) ; v1(15585,5675) 15850,5410 v1(15850,5250)
M1A: M1.1 P4.4 P4.5 | length 1288.5
  Top Layer w60: M1.1 12116.11,3070 12489.43,2696.68 12489.43,2695.57 P4.4 P4.5
  Bottom Layer w10: P4.4 P4.5
M1B: M1.2 P4.2 P4.3 | length 1040.2
  Top Layer w60: M1.2 12175,2870 12289.43,2755.57 12289.43,2695.57 P4.2 P4.3
  Bottom Layer w10: P4.2 P4.3
M2A: M2.2 P4.10 P4.11 | length 1933.5
  Bottom Layer w60: M2.2 11800,3520 12265,3055 12405,3055 12675,2785 13000,2785 13018.5,2766.5 13019.61,2766.5 13061.5,2724.61 ; P4.10 P4.11
M2B: M2.1 P4.12 P4.13 | length 2216.3
  Bottom Layer w60: M2.1 11725,3720 12315,3130 12445,3130 12710,2865 13121.11,2865 13261.5,2724.61 ; P4.12 P4.13
M3A: M3.1 P6.4 P6.5 | length 4060.4
  Bottom Layer w60: M3.1 11569.8,4357.68 11569.8,4285.2 11785,4070 11785,3920 12260,3445 12845,3445 13135,3155 13330,3155 13354.98,3130.02 13430,3055 13680,3055 13805,2930 14405.73,2930 14408.24,2927.49 14482.51,2927.49 P6.5 P6.4
M3B: M3.2 P6.2 P6.3 | length 3712.3
  Bottom Layer w60: M3.2 11557.48,3972.52 11715,3815 11749.3,3815 12345.81,3218.49 12481.51,3218.49 12650,3050 13280,3050 13500,2830 14364.28,2830 14399.43,2794.85 14399.43,2710.57 P6.2 P6.3
M4A: M4.2 P6.10 P6.11 | length 5034.3
  Bottom Layer w60: M4.2 11770,4607.48 11770,4215 11905,4080 11905,3930 12185,3650 13675,3650 14235,3090 14515,3090 14790,2815 15195,2815 P6.11 P6.10
M4B: M4.1 P6.12 P6.13 | length 5305
  Bottom Layer w60: M4.1 11865,4712.48 11865,4280 11985,4160 11985,3975 12205,3755 13730,3755 14280,3205 14535,3205 14825,2915 15270,2915 15399.43,2785.57 15399.43,2710.57 P6.12 P6.13
MISO: MCP2551.31 RPI.0 | length 3422.5
  Bottom Layer w10: RPI.0 12269,5574 14744,5574 MCP2551.31
MOSI: MCP2551.32 RPI.4 | length 3473.8
  Top Layer w10: RPI.4 12470,5375 12720,5375 12750,5345 12750,5294 12782.55,5261.45 12840,5261.45 12855,5276.45 12855,5482 13160,5787 13160,6069.45 13170.55,6080 MCP2551.32
Net?_1: ?.1 R37.1 | length 326
  Bottom Layer w10: R37.1 16256.85,3061.85 ?.1
NetCH_1: CH.1 R43.1 | length 177.8
  Bottom Layer w10: R43.1 15609,6025 15619,6035 CH.1
NetCL_1: CL.1 R44.1 | length 177.8
  Bottom Layer w10: R44.1 15609,5880 15619,5890 CL.1
NetDS1_2: DS1.2 R33.1 | length 217.1
  Top Layer w10: DS1.2 12765,3545.53 R33.1
NetDS2_2: DS2.2 R34.1 | length 222
  Top Layer w10: DS2.2 13134.17,3392.38 R34.1
NetDS3_2: DS3.2 R35.1 | length 211.3
  Top Layer w10: DS3.2 14430,3492 14435,3487 R35.1
NetDS4_2: DS4.2 R36.1 | length 211.1
  Top Layer w10: DS4.2 15319.24,3492.65 15323.89,3488 R36.1
Netopt1_78: opt1.19 R1.1 | length 223.1
  Top Layer w10: R1.1 12306,3937.6 12313.4,3945 opt1.19
Netopt1_80: opt1.17 R2.1 | length 223.1
  Top Layer w10: R2.1 12306,4137.6 12313.4,4145 opt1.17
Netopt1_82: opt1.15 R3.1 | length 223.1
  Top Layer w10: R3.1 12306,4337.6 12313.4,4345 opt1.15
Netopt1_84: opt1.13 R4.1 | length 223.1
  Top Layer w10: R4.1 12306,4537.6 12313.4,4545 opt1.13
Netopt2_78: opt2.19 R9.1 | length 194.5
  Top Layer w10: opt2.19 13772.4,4527.6 R9.1
Netopt2_80: opt2.17 R10.1 | length 188.3
  Top Layer w10: opt2.17 13757.4,4342.6 R10.1
Netopt2_82: opt2.15 R11.1 | length 180
  Top Layer w10: opt2.15 13737.4,4162.6 R11.1
Netopt2_84: opt2.13 R12.1 | length 175.8
  Top Layer w10: opt2.13 13727.4,3972.6 R12.1
Netopt3_78: opt3.19 R17.1 | length 145.6
  Top Layer w10: opt3.19 14946,4700 14983.6,4662.4 R17.1
Netopt3_80: opt3.17 R18.1 | length 148.3
  Top Layer w10: opt3.17 14944.27,4455.73 R18.1
Netopt3_82: opt3.15 R19.1 | length 151.1
  Top Layer w10: opt3.15 14950.93,4249.07 R19.1
Netopt3_84: opt3.13 R20.1 | length 153.9
  Top Layer w10: opt3.13 14957.6,4042.4 R20.1
Netopt4_78: opt4.19 R25.1 | length 163.1
  Top Layer w10: opt4.19 15926,4675 15933.4,4682.4 R25.1
Netopt4_80: opt4.17 R26.1 | length 161
  Top Layer w10: opt4.17 15928,4475 15930.4,4477.4 R26.1
Netopt4_82: opt4.15 R27.1 | length 161.1
  Top Layer w10: opt4.15 15928,4275 15930.6,4272.4 R27.1
Netopt4_84: opt4.13 R28.1 | length 163.1
  Top Layer w10: opt4.13 15926,4075 15933.6,4067.4 R28.1
NetPWR_1: PWR.1 R40.2 | length 217.2
  Top Layer w10: PWR.1 16445,4900 16475,4870 v1(16511,4870)
  Bottom Layer w10: R40.2 16445,4876 16505,4876 v1(16511,4870)
NetR38_1: R38.1 S1.2 | length 212.3
  Top Layer w10: S1.2 12352.5,3468 12362.5,3458 R38.1
NetR39_1: R39.1 S2.2 | length 226.8
  Top Layer w10: S2.2 13525,3404.04 R39.1
NetR41_1: R41.1 S3.2 | length 211.5
  Top Layer w10: R41.1 14879.44,3487 14885,3492.56 S3.2
NetR42_1: R42.1 S4.2 | length 225.1
  Top Layer w10: S4.2 15730,3424.13 R42.1
OUT1: GPO1.2 RPI.20 | length 2446.6
  Top Layer w10: RPI.20 13860,6055 13266,6055 13260,6049 13260,5965 13674,5551 14529,5551 GPO1.2
PWM1: R4.2 RPI.9 S1.1 | length 3794
  Top Layer w10: R4.2 12166.4,4612.4 12134.49,4580.49 12134.49,3735.21 S1.1 12302.5,3340 12327.5,3315 12400,3315 12571,3486 12571,4983 12637,5049 12637,5140 12721,5224 12880,5224 12905,5249 RPI.9
PWM2: R12.2 RPI.10 S2.1 | length 3405
  Top Layer w10: RPI.10 13137,5178 13137,4587 13030,4480 13030,3380 13096,3314 13221.81,3314 S2.1 13567.67,3659.86 13567.67,4012.67 13640,4085 13815,4085 R12.2
PWM3: R20.2 RPI.15 S3.1 | length 2994.9
  Top Layer w10: S3.1 15030,3690 R20.2
  Bottom Layer w10: RPI.15 13643,5172 13643,4995 14332,4306 14332,4140 14345,4127 14528,4127 14551,4150 14760,4150 14821,4089 14821,3709 S3.1
PWM4: R28.2 RPI.23 S4.1 | length 5018.4
  Top Layer w10: v1(15082,6129) 15233,6129 15697,5665 v1(15700,5665) ; S4.1 15780,3993 15807,4020 15895,4020 15922.4,3992.6 R28.2 16048.6,3992.6 16096,4040 v1(16096,5266)
  Bottom Layer w10: RPI.23 13653,5962 14228,5962 14273,6007 14920,6007 14950,5977 15053,5977 15082,6006 v1(15082,6129) ; v1(15700,5665) 15700,5663.5 16096,5267.5 v1(16096,5266)
SCK: MCP2551.33 RPI.3 | length 3515
  Bottom Layer w10: RPI.3 12477,5482 14778,5482 15026,5730 15165,5730 15195,5760 15195,6135 MCP2551.33
SS: MCP2551.30 RPI.1 | length 3281.1
  Bottom Layer w10: RPI.1 12323,5528 14745,5528 15097,5880 MCP2551.30
VDD: Conn.7 ENC3.1 ENC4.1 GPO1.1 MCP2551.28 opt1.21 opt1.23 opt1.25 opt1.27 opt2.21 opt2.23 opt2.25 opt2.27 opt3.21 opt3.23 opt3.25 opt3.27 opt4.21 opt4.23 opt4.25 opt4.27 P3.11 P5.11 PWR.2 RPI.38 | length 1595.1
  Top Layer w10: opt2.25 13320,4475 13320,4590 opt2.27 ; opt3.21 14555,4145 14555,4255 opt3.23
  Bottom Layer w10: opt1.27 12825,3840 v1(13405,3840) ; ENC4.1 14520,5960 14525,5955 ENC3.1
pads on no net: Conn.M1 Conn.M2 ENC3. ENC4. P3.1 P3.6 P3.12 P4.1 P5.1 P5.6 P5.12 P6.1 RPI.7 RPI.12 RPI.17 RPI.21 RPI.22 RPI.27 RPI.29 RPI.32 RPI.34 RPI.35 RPI.36 RPI.37 RPI.39

## Polygon pours and split planes (outlines as drawn)
VDD on Top Layer "VDD_L01_P002" (solid, pour order 2): 12000,3275 15690,3275 15745,3330 15745,4110 15760,4125 16510,4125 16535,4150 16535,5205 16240,5500 16240,6190 11735,6190 11735,3010
12V on Top Layer "12V_L01_P000" (solid, pour order 0): 16550,4050 15790,4050 15790,3265 15760,3235 12020,3235 11745,2960 11745,2545 15880,2545 16550,3215 16550,3260
GND on Bottom Layer "GND_L02_P001" (solid, pour order 1): 16322.55,6202.24 16322.55,5452.24 16572.55,5202.24 16572.55,3147.24 16182.55,2757.24 16182.55,2557.24 16152.55,2527.24 11597.55,2527.24 11572.55,2552.24 11572.55,6202.24 11602.55,6202.24

## Silkscreen, mask and mechanical layers (free items; w line width, h text height)
Top Overlay:
  drawing of 167 lines, arcs and shapes, not listed
  text "Galileo" at 13680,2840 h150
Bottom Overlay:
  lines w0.5: 11830,2595 11830,5155 13850,5155 13850,2595 ; 12570,5095 12610,5095 ; 12590,5075 12590,5115 ; 12670,5095 12710,5095 ; 12690,5075 12690,5115 ; 12770,5095 12810,5095 ; 12790,5075 12790,5115 ; 12870,5095 12910,5095 ; 12890,5075 12890,5115 ; 12970,5095 13010,5095 ; 12990,5075 12990,5115 ; 13070,5095 13110,5095 ; 13090,5075 13090,5115 ; 13170,5095 13210,5095 ; 13190,5075 13190,5115 ; 13270,5095 13310,5095 ; 13290,5075 13290,5115 ; 13370,5095 13410,5095 ; 13390,5075 13390,5115 ; 13470,5095 13510,5095 ; 13490,5075 13490,5115 ; 13570,5095 13610,5095 ; 13590,5075 13590,5115 ; 13670,5095 13710,5095 ; 13690,5075 13690,5115 ; 13770,5095 13810,5095 ; 13790,5075 13790,5115 ; 14680,5110 14720,5110 ; 14700,5090 14700,5130 ; 14780,5110 14820,5110 ; 14800,5090 14800,5130 ; 14880,5110 14920,5110 ; 14900,5090 14900,5130 ; 14980,5110 15020,5110 ; 15000,5090 15000,5130 ; 15080,5110 15120,5110 ; 15100,5090 15100,5130 ; 15180,5110 15220,5110 ; 15200,5090 15200,5130 ; 15280,5110 15320,5110 ; 15300,5090 15300,5130 ; 15380,2710 15420,2710 ; 15380,5110 15420,5110 ; 15400,5090 15400,5130 ; 15480,2710 15520,2710 ; 15480,5110 15520,5110 ; 15500,2690 15500,2730 ; 15500,5090 15500,5130 ; 15580,5110 15620,5110 ; 15600,5090 15600,5130 ; 15680,5110 15720,5110 ; 15700,5090 15700,5130 ; 15780,5110 15820,5110 ; 15800,5090 15800,5130 ; 15880,5110 15920,5110 ; 15900,5090 15900,5130 ; 13940,2610 13940,5170 15960,5170 15960,2610 13940,2610

## Dimensions
16279.84,6235.16 to 16160,2495 on Top Overlay
11500,2535 to 16565,3130 on Top Overlay

## Text inside footprints (layer, text, board x,y; h text height)
Conn: Top Overlay "9" at 16485.87,3859.37 h40 r90; Mechanical 2 "PCB Edge" at 16835.08,3961.73 h40 r90
P3: Bottom Overlay "1" at 13794.72,5161.93 h40; Bottom Overlay "13" at 12614.8,5161.93 h40
P5: Bottom Overlay "1" at 15904.72,5176.93 h40; Bottom Overlay "13" at 14724.8,5176.93 h40
P6: Bottom Overlay "1" at 14295.28,2643.07 h40 r180; Bottom Overlay "13" at 15475.2,2643.07 h40 r180
RPI: Top Overlay "PICO-TH" at 11963.82,6083.38 h60